# Altium PCB controller.PcbDoc (part 3 of 6)
Units mm, origin at the board's own origin, x right, y up, seen from the top; angles counter-clockwise.
Board outline 151 x 78 mm, 2 copper layers (Top Layer, Bottom Layer); 227 components, 202 nets, 805 pads, 125 vias.
Unrouted connection lines stored in the file: 1.
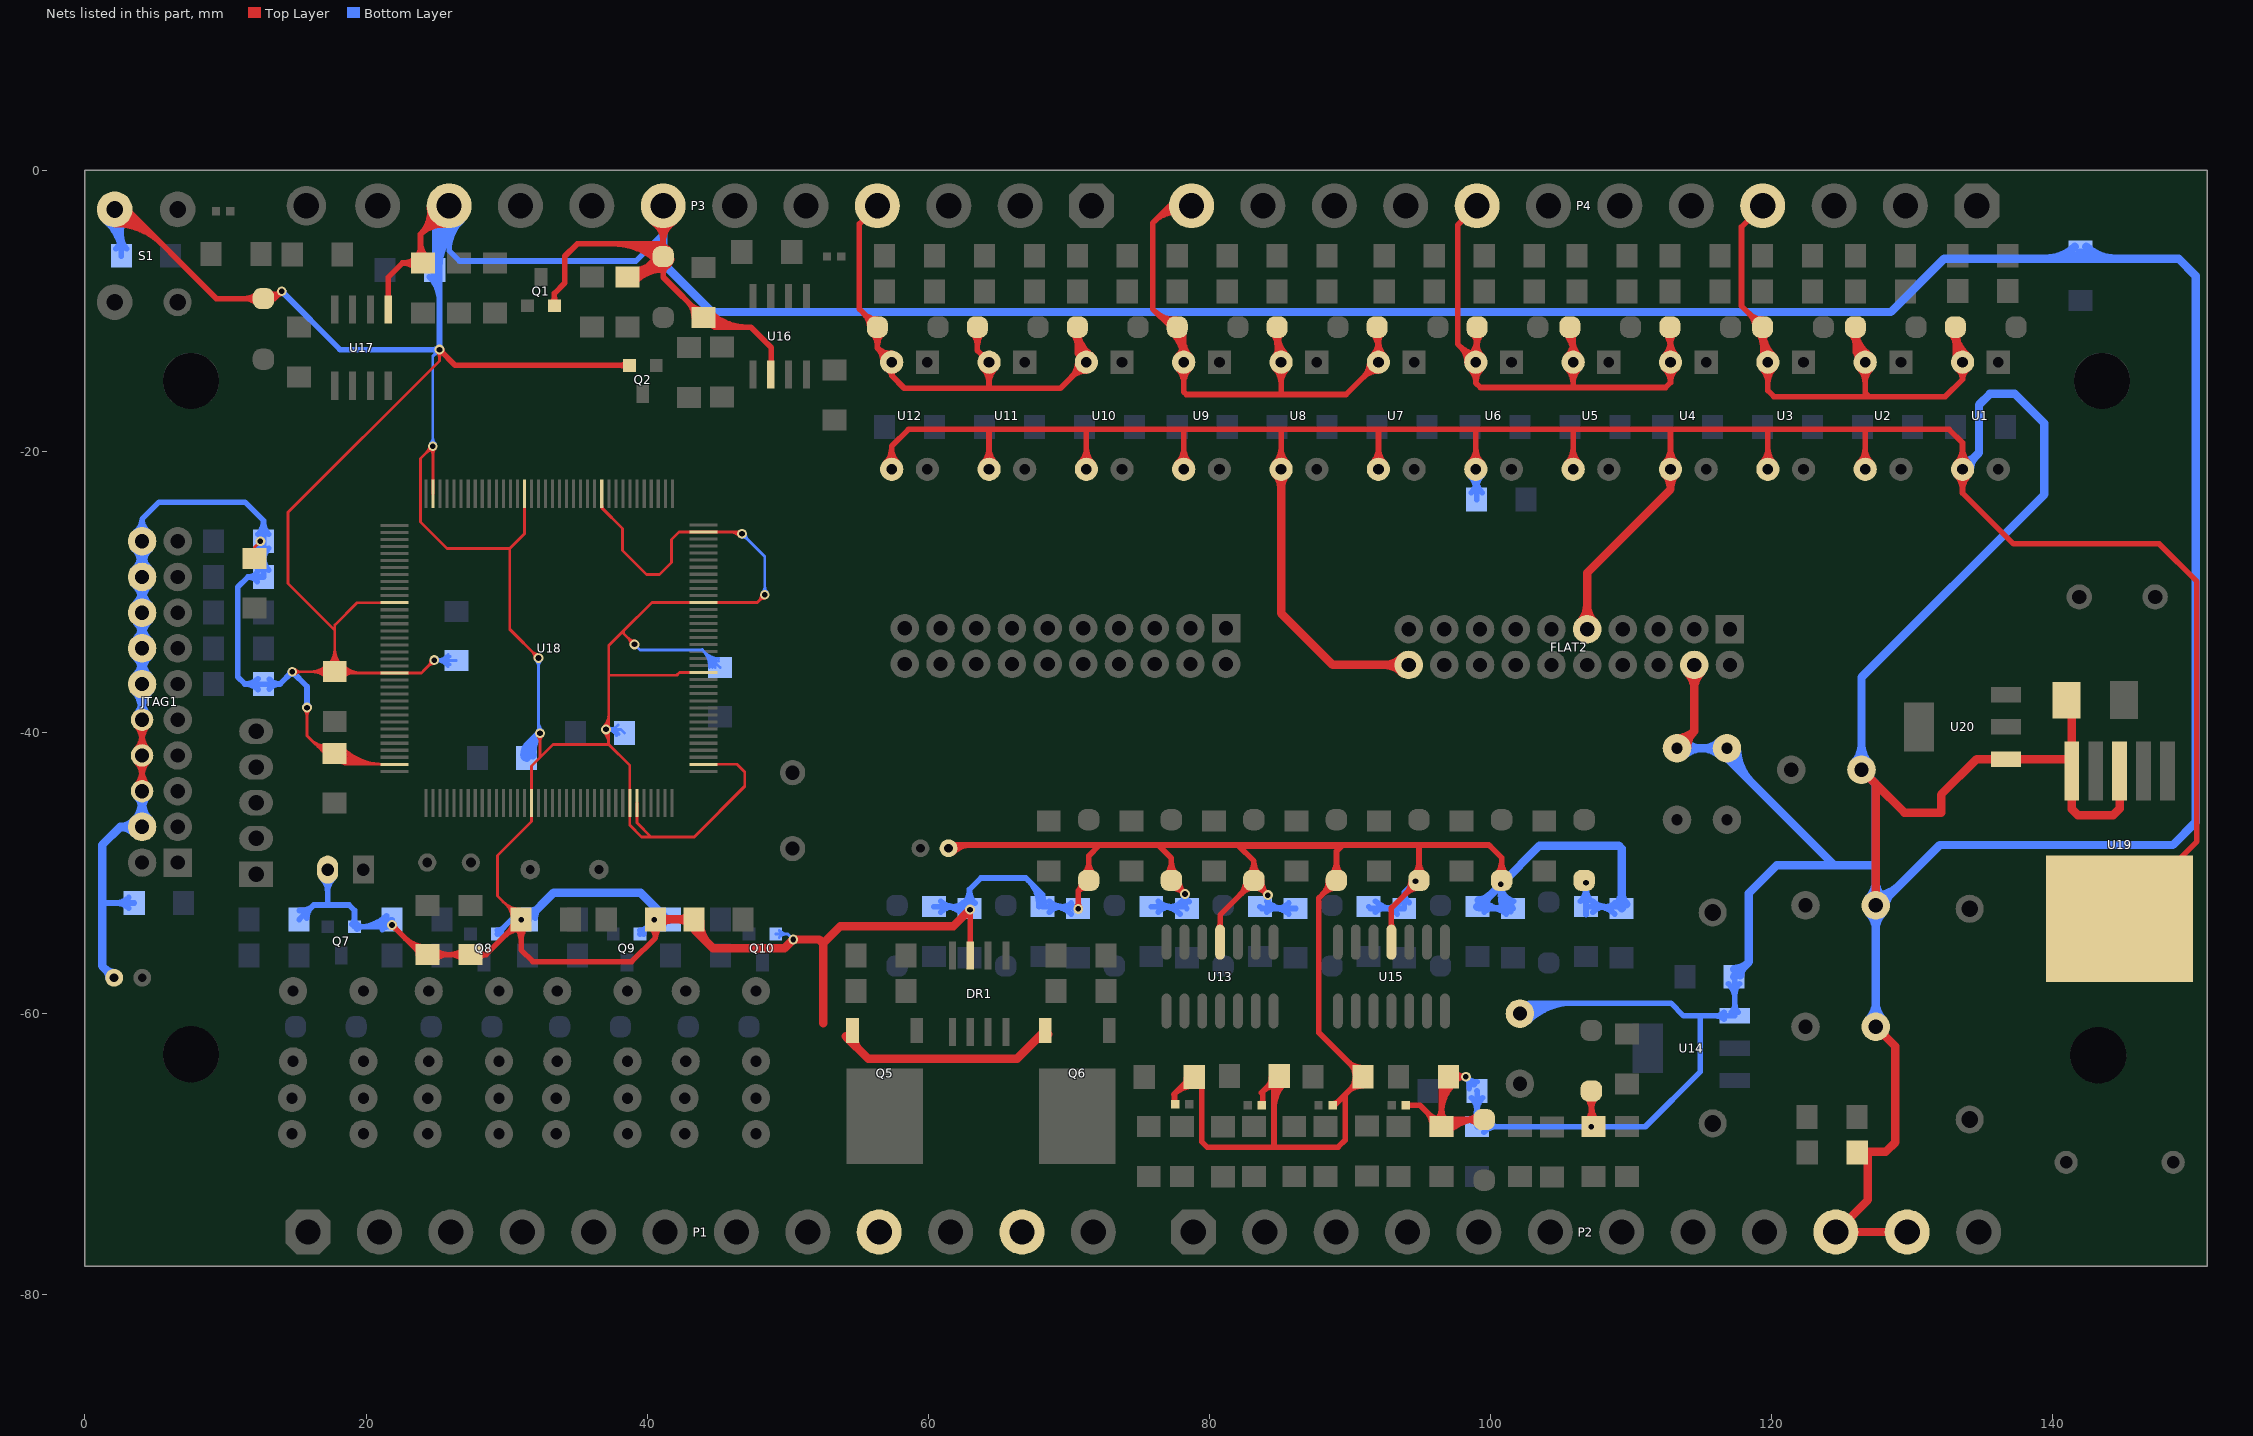
[diagram p3: the nets of this part, all layers, seen from the top]

## Via types
v1: diameter 0.7, hole 0.4, Top Layer to Bottom Layer, tented both sides, 124 vias
v2: diameter 0.8, hole 0.5, Top Layer to Bottom Layer, tented both sides, 1 vias

## Nets (pads, with @x,y where several pads share a name; then routed paths per layer and width w, separated by ;. In a path a pad name is that pad's centre, name@x,y a point inside that pad or via, vN(x,y) a via of type N, cw(c..) or ccw(c..) an arc to the next point about the centre after c; other vN are vias at no path point) (continued)
GND: BT1.2 C1.2 C2.2 C3.2 C4.2 C5.1 C6.2 C7.1 C8.2 C9.2 C10.2 C11.2 C12.2 C13.2 C14.2 C15.1 C16.1 C17.1 C18.1 C19.1 C20.1 C21.1 C22.1 C23.1 C24.2 C25.2 C26.2 C27.1 C30.2 C31.2 C32.1 C33.2 C34.1 D17.1 D18.1 D19.1 D20.1 D21.1 D22.1 D26.1 D27.1 D28.1 D29.1 D30.1 D35.1 DR1.3 FLAT2.4 FLAT2.9 FLAT2.20 JTAG1.4 JTAG1.6 JTAG1.8 JTAG1.10 JTAG1.12 JTAG1.14 JTAG1.16 JTAG1.18 JTAG1.20 P1.9 P1.11 P2.10 P2.11 P3.7 P3.10 Q1.2 Q2.2 Q5.3 Q6.3 Q7.2 Q8.2 Q9.2 Q10.2 R45.1 R46.1 R47.1 R48.1 R49.1 R50.1 R51.1 R52.1 R59.1 R60.1 R62.1 R65.1 R66.1 R67.1 R74.1 R77.1 R78.2 R83.1 R86.2 R87.2 R88.2 R90.2 R98.1 R100.1 R102.1 R104.1 R105.1 S1.3 U1.3 U2.3 U3.3 U4.3 U5.3 U6.3 U7.3 U8.3 U9.3 U10.3 U11.3 U12.3 U13.11 U14.1 U15.11 U16.2 U17.5 U18.16 U18.30 U18.31 U18.38 U18.51 U18.61 U18.71 U18.83 U18.94 U18.107 U18.120 U18.130 U18.143 U19.3 U19.5 U19.6 U20.1 W1.1 W2.1 W3.1 W4.1 | length 1813
  Top Layer w0.2: C15.1@11.917,-27.014 ccw(c11.883,-26.85) 12.05,-26.85 ; C15.1@12.05,-27.65 12.05,-26.85 ; C15.1@12.183,-27.014 cw(c12.217,-26.85) 12.05,-26.85 ; v1(12.484,-26.416) 12.05,-26.85 ; v1(14.75,-35.7) 17.412,-35.7 17.582,-35.87 R90.2@17.78,-36.068 ; v1@14.927,-35.877 cw(c15.354,-36.304) 15.354,-35.7 cw(c15.354,-35.096) v1@14.927,-35.523 ; v1@15.623,-38.427 cw(c15.196,-38.854) 15.8,-38.854 cw(c16.404,-38.854) v1@15.977,-38.427 ; v1(15.8,-38.25) 15.8,-40.25 17.075,-41.525 C23.1@17.75,-41.525 18.511,-42.286 U18.143@22.02,-42.286 ; 16.05,-35.7 ccw(c16.05,-34.052) R90.2@17.215,-35.217 ; 16.088,-40.538 ccw(c17.089,-39.536) C23.1@17.474,-40.899 ; 16.161,-35.7 cw(c16.161,-37.191) R90.2@17.215,-36.137 ; 16.329,-40.779 ccw(c17.195,-39.912) C23.1@17.528,-41.092 ; 16.533,-35.7 ccw(c16.533,-34.535) R90.2@17.357,-35.359 ; 16.57,-41.02 ccw(c17.302,-40.289) C23.1@17.582,-41.284 ; 16.644,-35.7 cw(c16.644,-36.708) R90.2@17.357,-35.995 ; 16.812,-41.262 ccw(c17.408,-40.665) C23.1@17.636,-41.477 ; R90.2@17.315,-35.217 ccw(c16.194,-34.096) 17.78,-34.096 ; R90.2@17.457,-35.359 ccw(c16.677,-34.579) 17.78,-34.579 ; C23.1@17.603,-41.772 ccw(c18.842,-40.533) 18.842,-42.286 ; C23.1@17.744,-41.631 ccw(c19.325,-40.05) 19.325,-42.286 ; 17.78,-34.603 ccw(c18.849,-34.603) R90.2@18.093,-35.359 ; 17.78,-34.12 ccw(c19.332,-34.12) R90.2@18.235,-35.217 ; C23.1@17.885,-41.49 ccw(c19.808,-39.567) 19.808,-42.286 ; C23.1@18.027,-41.348 ccw(c20.291,-39.084) 20.291,-42.286 ; R90.2@18.052,-35.5 ccw(c18.742,-34.81) 18.742,-35.786 ; C23.1@18.057,-42.141 cw(c18.183,-42.514) 18.461,-42.236 cw(c18.685,-42.012) C23.1@18.411,-41.853 ; C23.1@18.168,-41.207 ccw(c20.774,-38.601) 20.774,-42.286 ; R90.2@18.193,-35.995 cw(c18.698,-36.5) 18.698,-35.786 ; R90.2@18.193,-35.359 ccw(c19.225,-34.327) 19.225,-35.786 ; C23.1@18.31,-41.065 ccw(c21.256,-38.119) U18.143@21.256,-42.286 ; R90.2@18.335,-36.137 cw(c19.181,-36.983) 19.181,-35.786 ; R90.2@18.335,-35.217 ccw(c19.707,-33.845) 19.707,-35.786 ; U18.120@22.02,-30.786 19.364,-30.786 17.78,-32.37 17.78,-32.752 ; 24.075,-35.65 v1(24.85,-34.875) 23.939,-35.786 U18.130@22.02,-35.786 18.062,-35.786 17.973,-35.875 R90.2@17.78,-36.068 ; v1@24.5,-19.65 cw(c23.896,-19.65) 24.323,-20.077 cw(c24.75,-20.504) v1@24.75,-19.9 ; v1@24.573,-19.827 cw(c24.098,-20.302) 24.77,-20.302 ; v1(24.75,-19.65) 23.87,-20.53 23.87,-25.043 25.752,-26.925 30.225,-26.925 ; U18.107@24.77,-23.036 v1@24.77,-19.67 ; 24.77,-20.205 cw(c25.305,-20.205) v1@24.927,-19.827 ; v1@25.048,-12.952 cw(c24.621,-13.379) 25.225,-13.379 cw(c25.829,-13.379) v1@25.402,-12.952 ; v1(25.225,-12.775) 25.225,-13.575 14.45,-24.35 14.45,-29.422 17.78,-32.752 ; 29.756,-52.06 ccw(c31.036,-50.779) C24.2@31.036,-52.59 ; 29.997,-52.301 cw(c29.058,-53.24) C24.2@30.386,-53.24 ; 30.097,-52.401 ccw(c31.036,-51.462) C24.2@31.036,-52.79 ; C24.2@30.339,-52.643 cw(c29.741,-53.24) C24.2@30.586,-53.24 ; C24.2@30.439,-52.743 ccw(c31.036,-52.145) C24.2@31.036,-52.99 ; v1(31.036,-53.34) 29.35,-51.654 29.35,-48.772 31.77,-46.352 U18.16@31.77,-45.036 31.77,-42.405 32.375,-41.8 ; U18.94@31.27,-23.036 31.27,-25.88 30.225,-26.925 ; v1@32.025,-34.725 ccw(c31.421,-34.725) 31.848,-34.298 ccw(c32.275,-33.871) v1@32.275,-34.475 ; v1@32.198,-40.252 cw(c31.771,-40.679) 32.375,-40.679 cw(c32.979,-40.679) v1@32.552,-40.252 ; v1(32.275,-34.725) 30.225,-32.675 30.225,-26.925 ; v1(32.375,-40.075) 32.375,-41.8 ; U18.83@36.77,-23.036 36.77,-24.031 38.25,-25.511 38.25,-27.075 39.95,-28.775 40.875,-28.775 41.725,-27.925 41.725,-26.3 42.264,-25.761 U18.71@44.02,-25.761 46.636,-25.761 v1(46.75,-25.875) ; U18.83@36.78,-23.926 ccw(c37.058,-23.926) 36.861,-24.123 ; v1@36.898,-39.977 cw(c35.989,-40.886) 37.275,-40.886 ; v1@36.898,-39.623 ccw(c35.989,-38.714) 37.275,-38.714 ; v1@37.04,-39.835 cw(c36.471,-40.404) 37.275,-40.404 ; v1@37.04,-39.765 ccw(c36.471,-39.196) 37.275,-39.196 ; v1(37.075,-39.8) v1@37.275,-39.6 ; v1@38.85,-33.75 ccw(c38.246,-33.75) 38.673,-33.323 ccw(c39.1,-32.896) v1@39.1,-33.5 ; v1(39.1,-33.75) 38.317,-32.967 38.317,-32.783 ; U18.31@39.27,-45.036 39.27,-46.445 40.275,-47.45 ; U18.38@44.02,-42.286 46.411,-42.286 46.95,-42.825 46.95,-43.85 43.35,-47.45 40.275,-47.45 ; U18.51@44.02,-35.761 42.3,-35.761 42.111,-35.95 37.325,-35.95 37.275,-35.9 ; 45.871,-25.761 cw(c45.871,-26.754) v1@46.573,-26.052 ; 46.354,-25.761 cw(c46.354,-26.271) v1@46.715,-25.91 ; v1@48.125,-30.225 cw(c47.521,-30.225) 47.948,-30.652 cw(c48.375,-31.079) v1@48.375,-30.475 ; v1(48.375,-30.225) 47.839,-30.761 U18.61@44.02,-30.761 40.339,-30.761 38.317,-32.783 ; R90.2@17.78,-36.068 17.78,-35.677 17.78,-32.752 ; 24.423,-35.302 ccw(c23.996,-34.875) 24.6,-34.875 cw(c23.996,-34.875) 24.423,-35.302 ; 24.423,-35.302 cw(c24.85,-35.729) 24.85,-35.125 ccw(c24.85,-35.729) 24.423,-35.302 ; 32.375,-41.8 33.3,-40.875 37.275,-40.875 ; 37.275,-40.875 37.275,-39.8 v1@37.275,-39.6 ; 37.275,-40.875 38.77,-42.37 U18.30@38.77,-45.036 38.77,-46.62 39.6,-47.45 40.275,-47.45 ; v1@37.275,-39.6 37.275,-35.9 ; 37.275,-35.9 37.275,-33.825 38.317,-32.783
  Top Layer w0.4: S1.3@2.116,-3.872 cw(c2.116,-8.594) 5.455,-5.255 ; S1.3@2.116,-3.472 cw(c2.116,-7.228) 4.772,-4.572 ; S1.3@2.116,-3.072 cw(c2.116,-5.863) 4.089,-3.889 ; S1.3@2.116,-2.672 cw(c2.116,-4.497) 3.407,-3.207 ; S1.3@2.12,-2.567 2.767,-2.567 9.344,-9.144 D30.1@12.7,-9.144 13.481,-9.144 ; JTAG1.6@3.64,-43.772 ccw(c2.615,-42.747) 4.064,-42.747 ccw(c5.513,-42.747) JTAG1.6@4.488,-43.772 ; JTAG1.8@3.64,-42.08 cw(c2.615,-43.105) 4.064,-43.105 cw(c5.513,-43.105) JTAG1.8@4.488,-42.08 ; JTAG1.8@3.64,-41.232 ccw(c2.615,-40.207) 4.064,-40.207 ccw(c5.513,-40.207) JTAG1.8@4.488,-41.232 ; JTAG1.10@3.64,-39.54 cw(c2.615,-40.565) 4.064,-40.565 cw(c5.513,-40.565) JTAG1.10@4.488,-39.54 ; JTAG1.6@4.064,-44.196 JTAG1.8@4.064,-41.656 JTAG1.10@4.064,-39.116 ; D30.1@12.299,-9.533 ccw(c11.36,-10.472) 11.36,-9.144 ccw(c11.36,-7.816) D30.1@12.299,-8.755 ; D30.1@12.8,-9.023 ccw(c13.196,-8.481) 13.67,-8.955 ; D30.1@13.036,-8.7 ccw(c13.474,-8.1) v1(14,-8.625) 13.481,-9.144 ; D30.1@13.232,-9.322 cw(c13.481,-9.407) 13.481,-9.144 ; D30.1@13.232,-8.966 ccw(c13.481,-8.881) 13.481,-9.144 ; v1@13.85,-8.625 cw(c13.488,-8.625) 13.744,-8.881 cw(c14,-9.137) v1@14,-8.775 ; U17.5@21.585,-9.91 21.585,-7.615 22.583,-6.617 R83.1@23.863,-6.617 ; v1@21.844,-53.869 cw(c21.844,-54.231) 22.1,-53.975 cw(c22.356,-53.719) v1@21.994,-53.719 ; v1(21.844,-53.719) 23.957,-55.832 C12.2@24.384,-55.832 C11.2@27.432,-55.832 28.544,-55.832 ; 22.787,-54.662 ccw(c24.284,-53.165) C12.2@24.284,-55.282 ; 23.47,-55.345 ccw(c24.284,-54.53) C12.2@24.284,-55.682 ; R83.1@23.561,-7.006 ccw(c22.622,-7.945) 22.622,-6.617 ccw(c22.622,-5.289) 23.561,-6.228 ccw(c22.801,-5.468) 23.876,-5.468 ; C12.2@23.576,-55.451 cw(c23.196,-55.832) C12.2@23.734,-55.832 ; 23.876,-5.111 ccw(c25.456,-5.111) R83.1@24.339,-6.228 ; R83.1@24.05,-6.617 R83.1@23.863,-6.617 ; P3.10@24.518,-2.709 cw(c22.286,-2.982) 23.876,-4.572 ; C12.2@24.873,-56.221 cw(c25.812,-57.16) 25.812,-55.832 cw(c25.812,-54.504) C12.2@24.873,-55.443 ; P3.10@24.915,-2.661 cw(c23.321,-2.855) 24.457,-3.991 cw(c25.593,-5.127) P3.10@25.787,-3.533 ; v1@25.225,-12.925 cw(c25.225,-13.287) 25.481,-13.031 cw(c25.737,-12.775) v1@25.375,-12.775 ; v1(25.225,-12.775) 26.35,-13.9 Q2.2@38.745,-13.9 ; P3.10@25.739,-3.93 ccw(c25.466,-6.162) 23.876,-4.572 ; P3.10@25.908,-2.54 23.876,-4.572 ; C11.2@26.943,-56.221 ccw(c26.004,-57.16) 26.004,-55.832 ccw(c26.004,-54.504) C11.2@26.943,-55.443 ; C11.2@27.994,-56.131 cw(c28.544,-56.488) 28.544,-55.832 ; C11.2@27.994,-55.533 ccw(c28.544,-55.176) 28.544,-55.832 ; 29.926,-54.45 cw(c31.036,-55.559) C24.2@31.036,-53.99 ; 30.168,-54.208 ccw(c29.4,-53.44) C24.2@30.486,-53.44 ; C24.2@30.647,-53.829 cw(c29.708,-54.768) 31.036,-54.768 cw(c32.364,-54.768) C24.2@31.425,-53.829 ; Q1.2@33.219,-9.47 ccw(c32.78,-9.031) 33.401,-9.031 ccw(c34.022,-9.031) Q1.2@33.583,-9.47 ; Q1.2@33.401,-9.652 33.401,-8.774 34.144,-8.031 34.144,-6.131 35.025,-5.25 41.048,-5.25 41.148,-5.15 ; 37.597,-5.25 cw(c37.597,-9.705) D29.1@40.747,-6.555 ; R78.2@38.526,-7.449 cw(c39.303,-8.177) R78.2@39.303,-7.112 ; Q2.2@38.563,-14.082 ccw(c38.124,-14.521) 38.124,-13.9 ccw(c38.124,-13.279) Q2.2@38.563,-13.718 ; 38.562,-5.25 cw(c38.562,-8.74) D29.1@41.03,-6.272 ; R78.2@38.817,-7.723 cw(c40.225,-9.041) 40.225,-7.112 ; R78.2@39.109,-7.996 cw(c41.148,-9.904) 41.148,-7.112 ; 39.528,-5.25 cw(c39.528,-7.774) D29.1@41.313,-5.989 ; 39.656,-7.112 ccw(c39.656,-5.715) D29.1@40.993,-6.122 ; 40.196,-7.112 ccw(c40.196,-5.88) D29.1@41.375,-6.239 ; C25.2@40.235,-53.858 cw(c39.573,-54.633) 40.592,-54.633 ; P3.7@40.374,-3.706 cw(c39.415,-5.15) 41.148,-5.15 ; 40.494,-5.25 cw(c40.494,-6.808) D29.1@41.596,-5.706 ; C25.2@40.592,-53.34 40.592,-54.633 ; P3.7@40.595,-3.373 cw(c39.91,-4.404) 41.148,-4.404 cw(c42.386,-4.404) P3.7@41.701,-3.373 ; D29.1@40.61,-6.006 cw(c39.116,-5.55) 39.116,-7.112 41.148,-7.112 ; 40.736,-7.112 ccw(c40.736,-6.044) D29.1@41.758,-6.356 ; D29.1@40.759,-6.555 cw(c39.82,-7.494) 41.148,-7.494 cw(c42.476,-7.494) D29.1@41.537,-6.555 ; D29.1@40.847,-5.705 ccw(c40.485,-5.15) 41.148,-5.15 ; C25.2@40.949,-53.858 ccw(c41.611,-54.633) 40.592,-54.633 ; P3.7@41.148,-2.54 41.148,-5.15 ; D29.1@41.449,-5.705 cw(c41.811,-5.15) 41.148,-5.15 ; P3.7@41.922,-3.706 ccw(c42.881,-5.15) 41.148,-5.15 ; 42.89,-9.373 cw(c41.781,-10.483) R77.1@43.35,-10.483 ; 43.132,-9.615 ccw(c43.9,-8.847) R77.1@43.9,-9.933 ; R77.1@43.923,-10.66 ccw(c45.17,-9.413) 45.17,-11.176 ; R77.1@44.206,-10.377 ccw(c46.135,-8.448) 46.135,-11.176 ; R77.1@44.489,-10.094 ccw(c47.101,-7.482) 47.101,-11.176 ; U16.2@48.756,-13.766 ccw(c48.542,-13.552) U16.2@48.845,-13.552 ; U16.2@48.845,-14.225 48.845,-12.645 47.376,-11.176 44.8,-11.176 44.107,-10.483 R77.1@44,-10.483 41.148,-7.631 41.148,-7.112 ; U12.3@56.962,-20.848 ccw(c55.894,-19.78) 57.404,-19.78 ccw(c58.914,-19.78) U12.3@57.846,-20.848 ; U12.3@57.404,-21.29 57.404,-19.646 58.6,-18.45 64.4,-18.45 ; C26.2@61.452,-48.26 61.687,-48.025 72.2,-48.025 ; C26.2@61.477,-48.285 cw(c62.104,-48.912) 62.104,-48.025 ; C26.2@61.76,-48.568 cw(c63.07,-49.878) 63.07,-48.025 ; v1@62.869,-52.731 cw(c62.572,-53.028) 62.992,-53.028 ; DR1.3@62.992,-55.88 v1@62.992,-52.642 ; U11.3@63.889,-20.848 ccw(c62.821,-19.78) 64.331,-19.78 ccw(c65.841,-19.78) U11.3@64.774,-20.848 ; U11.3@64.331,-21.29 64.331,-18.519 64.4,-18.45 ; v1@70.569,-52.469 ccw(c70.313,-52.213) 70.675,-52.213 ccw(c71.037,-52.213) v1@70.781,-52.469 ; v1(70.675,-52.575) 70.675,-51.296 D17.1@71.425,-50.546 71.425,-48.8 72.2,-48.025 ; U10.3@70.816,-20.848 ccw(c69.748,-19.78) 71.259,-19.78 ccw(c72.769,-19.78) U10.3@71.701,-20.848 ; D17.1@70.874,-50.654 cw(c70.183,-50.792) 70.681,-51.29 cw(c71.195,-51.803) D17.1@71.319,-51.088 ; D17.1@71.036,-50.157 ccw(c70.097,-49.218) 71.425,-49.218 ccw(c72.753,-49.218) D17.1@71.814,-50.157 ; U10.3@71.259,-21.29 71.259,-18.459 ; D18.1@76.912,-50.157 ccw(c75.973,-49.218) 77.301,-49.218 ccw(c78.629,-49.218) D18.1@77.69,-50.157 ; D18.1@77.313,-51.096 cw(c77.313,-52.395) v1@78.231,-51.476 ; 77.479,-65.777 cw(c78.933,-67.232) R45.1@78.933,-65.175 ; 77.525,-66.113 ccw(c77.937,-66.113) W1.1@77.646,-66.404 ; W1.1@77.653,-66.396 77.525,-66.268 77.525,-65.731 R45.1@78.74,-64.516 ; U9.3@77.744,-20.848 ccw(c76.676,-19.78) 78.186,-19.78 ccw(c79.696,-19.78) U9.3@78.628,-20.848 ; D18.1@77.863,-50.546 ccw(c79.22,-50.546) v1@78.26,-51.505 ; v1@78.123,-51.518 ccw(c77.76,-51.518) 78.017,-51.262 ccw(c78.273,-51.006) v1@78.273,-51.368 ; 78.161,-65.095 cw(c78.933,-65.866) R45.1@78.933,-64.775 ; U9.3@78.186,-21.29 78.186,-18.489 78.225,-18.45 ; R45.1@78.208,-65.048 ccw(c77.784,-64.625) R45.1@78.383,-64.625 ; v1(78.273,-51.518) D18.1@77.301,-50.546 77.301,-48.951 76.375,-48.025 ; R45.1@78.8,-64.5 78.854,-64.446 R45.1@78.975,-64.325 ; R45.1@78.933,-64.525 79.475,-65.067 79.475,-69.15 79.85,-69.525 84.612,-69.525 ; U13.11@80.665,-53.935 ccw(c80.409,-53.679) 80.771,-53.679 ccw(c81.133,-53.679) U13.11@80.877,-53.935 ; U13.11@80.771,-54.941 80.771,-53.004 D19.1@83.177,-50.598 ; 82.18,-51.595 ccw(c81.131,-50.546) D19.1@82.615,-50.546 ; 82.336,-51.439 cw(c83.165,-52.268) D19.1@83.165,-51.096 ; D19.1@82.788,-50.157 ccw(c81.849,-49.218) 83.177,-49.218 ccw(c84.504,-49.218) D19.1@83.566,-50.157 ; D19.1@83.189,-51.096 cw(c83.189,-52.268) v1@84.018,-51.439 ; W2.1@83.679,-66.479 ccw(c83.359,-66.159) 83.812,-66.159 ; 83.709,-65.643 cw(c84.96,-66.894) R46.1@84.977,-65.125 ; D19.1@83.738,-50.558 ccw(c85.12,-50.588) v1@84.143,-51.565 ; W2.1@83.812,-66.548 83.812,-65.54 R46.1@84.836,-64.516 ; v1@84.025,-51.597 ccw(c83.663,-51.597) 83.919,-51.341 ccw(c84.175,-51.085) v1@84.175,-51.447 ; v1(84.175,-51.597) D19.1@83.177,-50.598 ; 84.19,-65.162 ccw(c83.603,-64.575) R46.1@84.433,-64.575 ; 84.612,-66.798 cw(c87.206,-66.798) R46.1@85.372,-64.964 ; 84.612,-65.833 cw(c86.241,-65.833) R46.1@85.089,-64.681 ; U8.3@84.671,-20.848 ccw(c83.603,-19.78) 85.113,-19.78 ccw(c86.623,-19.78) U8.3@85.555,-20.848 ; R46.1@84.983,-64.475 84.612,-64.846 84.612,-69.525 ; U8.3@85.113,-21.29 85.113,-18.462 ; 88.093,-51.505 ccw(c87.134,-50.546) D20.1@88.49,-50.546 ; 88.122,-51.476 cw(c89.04,-52.395) D20.1@89.04,-51.096 ; D20.1@88.664,-50.157 ccw(c87.725,-49.218) 89.052,-49.218 ccw(c90.38,-49.218) D20.1@89.441,-50.157 ; W3.1@88.775,-66.45 ccw(c88.775,-65.912) 89.156,-66.292 ; W3.1@88.892,-66.548 88.9,-66.548 89.675,-65.773 ; 89.822,-65.626 cw(c90.932,-66.735) R47.1@90.932,-65.166 ; 89.822,-63.406 ccw(c90.932,-62.297) R47.1@90.932,-63.866 ; 90.064,-65.384 ccw(c89.296,-64.616) R47.1@90.382,-64.616 ; 90.064,-63.648 cw(c89.296,-64.416) R47.1@90.382,-64.416 ; U7.3@91.598,-20.848 ccw(c90.53,-19.78) 92.04,-19.78 ccw(c93.55,-19.78) U7.3@92.483,-20.848 ; U7.3@92.04,-21.29 92.04,-18.46 ; U15.11@92.857,-53.935 ccw(c92.601,-53.679) 92.963,-53.679 ccw(c93.325,-53.679) U15.11@93.069,-53.935 ; U15.11@92.963,-54.941 92.963,-52.511 94.775,-50.7 D26.1@94.928,-50.546 ; 93.4,-48.025 93.08,-48.025 ; 93.969,-51.505 ccw(c93.01,-50.546) D26.1@94.366,-50.546 ; W4.1@93.972,-66.548 94.996,-66.548 R59.1@96.52,-68.072 ; 93.998,-51.476 cw(c94.916,-52.395) D26.1@94.916,-51.096 ; 94.278,-51.196 ccw(c93.682,-50.6) D26.1@94.525,-50.6 ; D26.1@94.539,-50.157 ccw(c93.6,-49.218) 94.928,-49.218 ccw(c96.256,-49.218) D26.1@95.317,-50.157 ; D26.1@94.669,-50.061 ccw(c94.438,-49.628) 94.928,-49.628 ; v1(94.675,-50.6) D26.1@94.675,-50.575 ; 94.928,-49.626 cw(c93.701,-49.626) 94.569,-50.494 ccw(c93.706,-49.628) 94.928,-49.628 ; D26.1@95.188,-50.061 cw(c95.419,-49.628) 94.928,-49.628 ; 95.41,-66.962 cw(c94.301,-68.072) R59.1@95.87,-68.072 ; 95.652,-67.204 ccw(c96.42,-66.436) R59.1@96.42,-67.522 ; R59.1@96.131,-67.683 ccw(c95.192,-66.744) 96.52,-66.744 ccw(c97.848,-66.744) R59.1@96.909,-67.683 ; R59.1@96.443,-67.895 cw(c97.243,-68.695) R59.1@97.243,-67.564 ; 96.52,-67.17 cw(c99.582,-67.17) R48.1@97.417,-65.005 ; 96.52,-66.205 cw(c98.617,-66.205) R48.1@97.134,-64.722 ; R48.1@96.52,-65.239 cw(c97.651,-65.239) R48.1@96.851,-64.439 ; R59.1@96.726,-68.178 cw(c98.209,-69.661) 98.209,-67.564 ; R59.1@97.009,-68.461 cw(c99.174,-70.626) D21.1@99.174,-67.564 ; R48.1@97.436,-64.885 cw(c98.266,-65.634) v1(98.266,-64.516) ; R48.1@97.436,-64.147 ccw(c98.266,-63.398) v1(98.266,-64.516) ; v1@98.16,-64.622 ccw(c97.904,-64.878) 97.904,-64.516 ccw(c97.904,-64.154) v1@98.16,-64.41 ; U6.3@98.525,-20.848 ccw(c97.458,-19.78) 98.968,-19.78 ccw(c100.478,-19.78) U6.3@99.41,-20.848 ; U6.3@98.968,-21.29 98.968,-18.493 98.925,-18.45 ; D21.1@99.167,-67.953 ccw(c98.228,-68.892) 98.228,-67.564 ccw(c98.228,-66.236) D21.1@99.167,-67.175 ; D21.1@99.568,-67.564 97.028,-67.564 R59.1@96.52,-68.072 ; 99.975,-48.1 100.804,-48.929 ; D27.1@100.415,-50.157 ccw(c99.476,-49.218) 100.804,-49.218 ccw(c102.132,-49.218) D27.1@101.193,-50.157 ; D27.1@100.644,-50.719 ccw(c100.257,-50.332) D27.1@100.804,-50.332 ; D27.1@100.804,-50.546 100.804,-48.929 ; U5.3@105.453,-20.848 ccw(c104.385,-19.78) 105.895,-19.78 ccw(c107.405,-19.78) U5.3@106.337,-20.848 ; U5.3@105.895,-21.29 105.895,-18.455 ; D28.1@106.7,-50.6 v1(106.81,-50.71) ; D22.1@106.799,-65.921 cw(c105.86,-66.86) 107.188,-66.86 cw(c108.516,-66.86) D22.1@107.577,-65.921 ; R60.1@106.861,-67.678 ccw(c106.072,-66.889) 107.188,-66.889 ; R60.1@107.188,-68.072 107.188,-68.067 D22.1@107.188,-65.532 ; R60.1@107.188,-67.693 ccw(c107.567,-67.693) R60.1@107.299,-67.961 ; 107.188,-66.589 ccw(c108.728,-66.589) R60.1@107.639,-67.678 ; v1(107.193,-68.067) R60.1@107.35,-68.067 ; U4.3@112.38,-20.848 ccw(c111.312,-19.78) 112.822,-19.78 ccw(c114.332,-19.78) U4.3@113.264,-20.848 ; U4.3@112.822,-21.29 112.822,-18.522 112.75,-18.45 ; U3.3@119.307,-20.848 ccw(c118.239,-19.78) 119.749,-19.78 ccw(c121.26,-19.78) U3.3@120.192,-20.848 ; U3.3@119.749,-21.29 119.749,-18.501 119.8,-18.45 ; U2.3@126.234,-20.848 ccw(c125.167,-19.78) 126.677,-19.78 ccw(c128.187,-19.78) U2.3@127.119,-20.848 ; U2.3@126.677,-21.29 126.677,-18.571 126.556,-18.45 ; U1.3@133.162,-21.732 cw(c132.094,-22.8) 133.604,-22.8 cw(c135.114,-22.8) U1.3@134.046,-21.732 ; U1.3@133.162,-20.848 ccw(c132.094,-19.78) 133.604,-19.78 ccw(c135.114,-19.78) U1.3@134.046,-20.848 ; U1.3@133.604,-21.154 U1.3@133.604,-21.29 ; U19.6@144.78,-53.276 150.275,-47.781 150.275,-29.275 147.6,-26.6 137.225,-26.6 133.604,-22.979 U1.3@133.604,-21.29 ; R83.1@23.863,-6.617 23.876,-6.604 23.876,-4.572 ; 28.544,-55.832 v1(31.036,-53.34) 31.036,-55.486 31.875,-56.325 38.9,-56.325 40.592,-54.633 ; D29.1@40.876,-6.644 cw(c40.61,-7.112) 41.148,-7.112 ; D29.1@40.876,-6.644 cw(c40.61,-7.112) 41.148,-7.112 ; D29.1@40.876,-6.644 cw(c40.61,-7.112) 41.148,-7.112 ; 41.148,-7.112 cw(c41.686,-7.112) D29.1@41.42,-6.644 ; 41.148,-7.112 cw(c41.686,-7.112) D29.1@41.42,-6.644 ; 41.148,-7.112 cw(c41.686,-7.112) D29.1@41.42,-6.644 ; 41.148,-7.112 D29.1@41.148,-6.166 41.148,-5.15 ; 64.4,-18.45 78.225,-18.45 ; 72.2,-48.025 76.375,-48.025 ; 76.375,-48.025 93.08,-48.025 ; 78.225,-18.45 98.925,-18.45 ; D19.1@83.177,-50.598 D19.1@83.177,-50.546 83.177,-49.177 82.1,-48.1 89.427,-48.1 89.052,-48.475 D20.1@89.052,-50.546 87.8,-51.798 87.8,-61.384 R47.1@90.932,-64.516 89.675,-65.773 ; 84.612,-69.525 89.175,-69.525 89.675,-69.025 89.675,-65.773 ; 93.08,-48.025 94.9,-48.025 ; 94.9,-48.025 99.9,-48.025 100.804,-48.929 ; 94.9,-48.025 94.928,-48.053 D26.1@94.928,-50.546 ; D26.1@94.928,-50.546 94.928,-49.628 ; R59.1@96.52,-68.072 96.52,-65.024 R48.1@97.028,-64.516 v1(98.266,-64.516) ; 98.925,-18.45 112.75,-18.45 ; 112.75,-18.45 119.8,-18.45 ; 119.8,-18.45 126.556,-18.45 ; 126.556,-18.45 132.65,-18.45 133.604,-19.404 U1.3@133.604,-21.29